# KiCad board camera_badge.kicad_pcb
title: Camera_Badge; date: 2024-04-12; rev: 2; company: Crafted by @alt_bier a.k.a. Richard Gowen and others from Blue Team Village
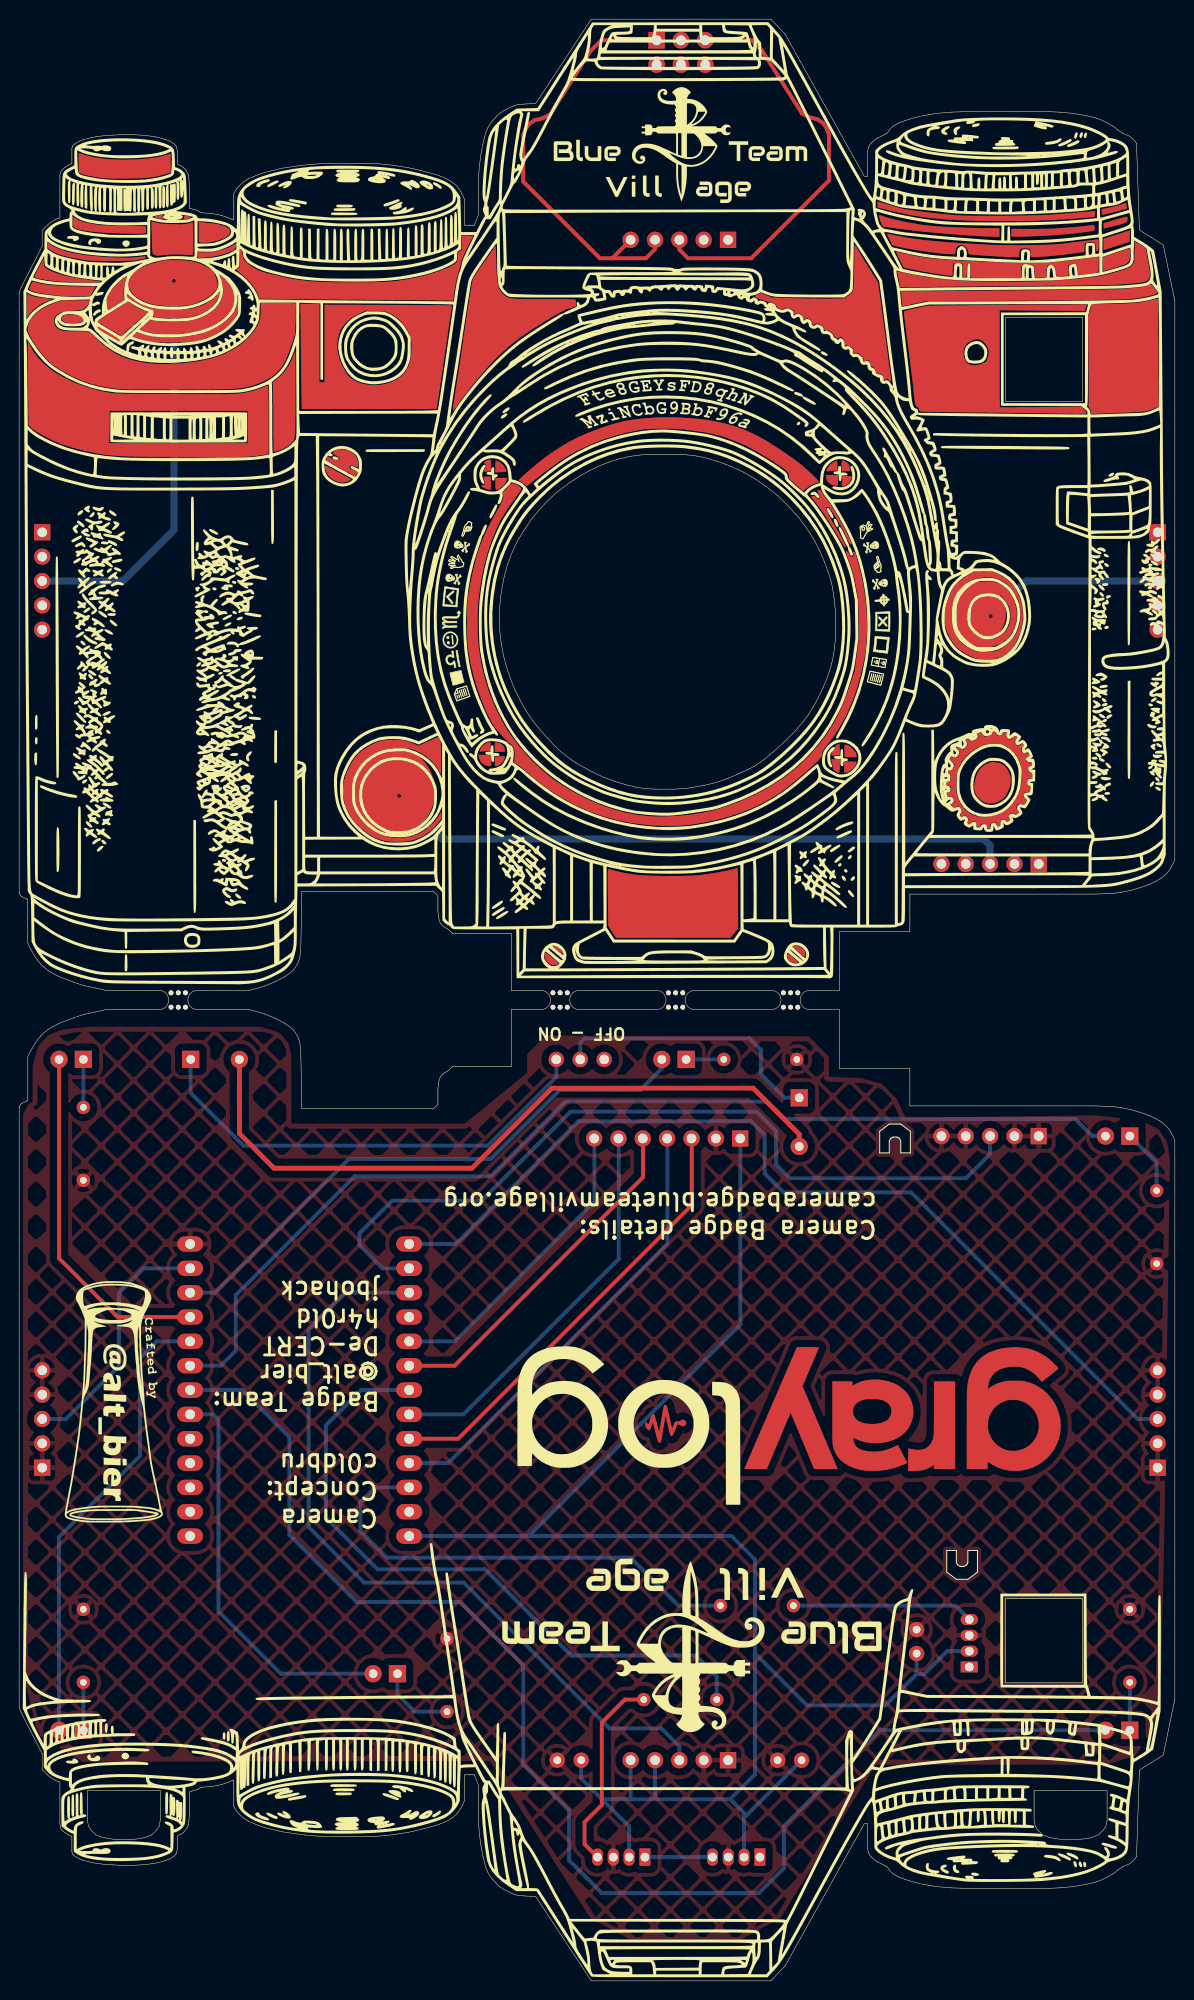
[diagram p0: board, top side]
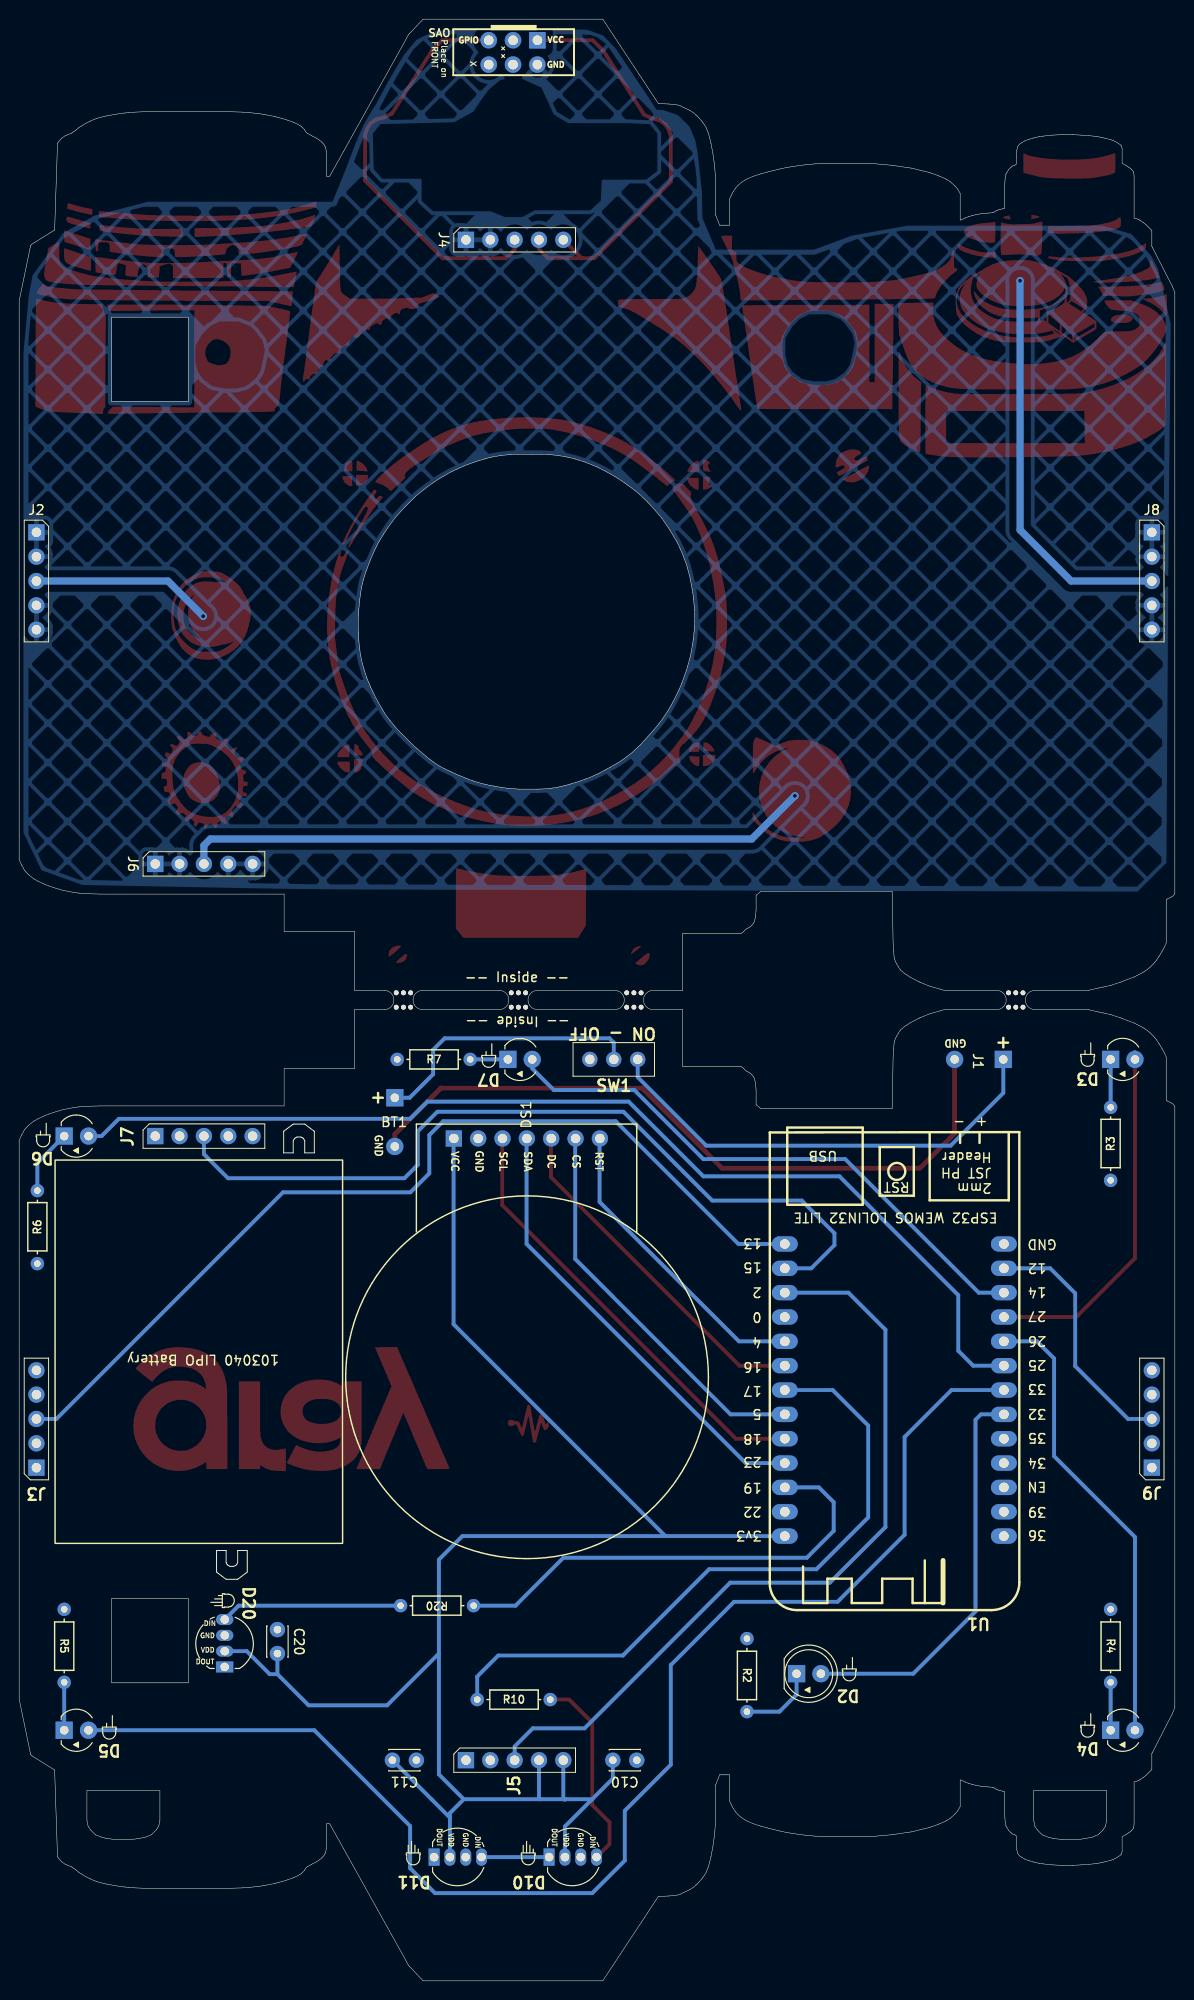
[diagram p1: board, bottom side, seen from below]

Outline 120.6 x 204.7 mm; copper layers: Top, Bottom. Coordinates in mm from the lower left corner of the outline.
Stack: Top 0.035mm / dielectric 1.51mm FR4 er 4.5 / Bottom 0.035mm

## Placement (name value [footprint] x y rotation side)
badge_bmask01  BMask01  [camera_badge_bmask01]  60.3 102.35 0 top
badge_copper01  Copper01  [camera_badge_copper01]  60.3 102.35 0 top
badge_edgecuts  Edge  [camera_badge_edgecuts]  57.6 102.85 0 top
badge_fmask01  FMask01  [camera_badge_fmask01]  60.3 102.35 0 top
badge_silk02  Silk02  [camera_badge_silk02]  60.3 102.35 0 top
badge_silk03  Silk03  [camera_badge_silk03]  60.3 102.35 0 top
badge_silk04  Silk04  [camera_badge_silk04]  60.3 102.35 0 top
Band_Fastener  -  [Band_Fastener_Hook]  98.4 44.15 180 top
Band_Fastener#2  -  [Band_Fastener_Hook]  91.4 87.15 0 top
BT1  Battery_Lipo  [Battery_Connector_back]  81.4 92.15 0 top
BTV_LOGO  btv_logo_45  [camera_badge_btvlogo_45]  70.01 35.32 180 top
C10  C_Disc_D3  [C_Disc_D3_back]  58.65 23.02 180 top
C11  C_Disc_D3  [C_Disc_D3_back]  81.65 23.02 180 top
C20  C_Disc_D3  [C_Disc_D3_back]  93.65 34.15 90 top
D2  LED_5mm  [LED_D5.0mm-2_back]  39.48 32.05 180 top
D3  LED_3mm  [LED_D3.0mm-2-std_back]  6.7 96.15 180 top
D4  LED_3mm  [LED_D3.0mm-2-std_back]  6.7 26.15 180 top
D5  LED_3mm  [LED_D3.0mm-2-std_back]  115.9 26.15 180 top
D6  LED_3mm  [LED_D3.0mm-2-std_back]  115.9 88.15 180 top
D7  LED_3mm  [LED_D3.0mm-2-std_back]  69.6 96.15 180 top
D10  LED_WS2812D_5mm  [LED_D5.0mm-4_WS2812D_2024_back]  64.8 12.91 180 top
D11  LED_WS2812D_5mm  [LED_D5.0mm-4_WS2812D_2024_back]  76.8 12.91 180 top
D20  LED_WS2812D_5mm  [LED_D5.0mm-4_WS2812D_2024_back]  99.15 33.25 90 top
DS1  GC9A01 TFT Display  [GC9A01_TFT_Back_Mount]  75.27 85.59 270 top
G***  LOGO  [logo-alt_bier-900dpi-10x25mm-front]  9.9 60.4 180 top
J1  Battery_Conn  [Battery_Connector_back]  17.9 96.15 90 top
J2  Conn_01x05_Socket  [Conn_Pin_Header_Female_Vert_Back_1x05_Pitch2.54mm]  118.8 151.15 0 top
J3  Conn_01x05_Pin  [Conn_Pin_Header_Male_Vert_Back_1x05_Pitch2.54mm]  118.8 53.55 180 top
J4  Conn_01x05_Socket  [Conn_Pin_Header_Female_Vert_Back_1x05_Pitch2.54mm]  73.97 181.67 270 top
J5  Conn_01x05_Pin  [Conn_Pin_Header_Male_Vert_Back_1x05_Pitch2.54mm]  73.97 23.02 270 top
J6  Conn_01x05_Socket  [Conn_Pin_Header_Female_Vert_Back_1x05_Pitch2.54mm]  106.4 116.55 270 top
J7  Conn_01x05_Pin  [Conn_Pin_Header_Male_Vert_Back_1x05_Pitch2.54mm]  106.4 88.15 270 top
J8  Conn_01x05_Socket  [Conn_Pin_Header_Female_Vert_Back_1x05_Pitch2.54mm]  2.4 151.15 0 top
J9  Conn_01x05_Pin  [Conn_Pin_Header_Male_Vert_Back_1x05_Pitch2.54mm]  2.4 53.55 180 top
JSAO1  Conn_02x03_SAO  [SAOv169-BADGEv2-2x3_gpio_back]  69 201.25 0 top
Lanyard  -  [Lanyard_Hole]  109.7 17.55 180 top
Lanyard#2  -  [Lanyard_Hole]  10.9 17.55 180 top
LIPO  -  [Battery_LIPO_103040_silk_back]  101.85 65.65 180 top
R2  47R_6.3mm  [R_Axial_DIN0207_L6.3_D2.5_P7.62_Horiz_back]  44.65 28.09 90 top
R3  47R_6.3mm  [R_Axial_DIN0207_L6.3_D2.5_P7.62_Horiz_back]  6.7 91.15 270 top
R4  47R_6.3mm  [R_Axial_DIN0207_L6.3_D2.5_P7.62_Horiz_back]  6.7 31.15 90 top
R5  47R_6.3mm  [R_Axial_DIN0207_L6.3_D2.5_P7.62_Horiz_back]  115.9 31.15 90 top
R6  47R_6.3mm  [R_Axial_DIN0207_L6.3_D2.5_P7.62_Horiz_back]  118.7 82.46 270 top
R7  47R_6.3mm  [R_Axial_DIN0207_L6.3_D2.5_P7.62_Horiz_back]  73.53 96.15 0 top
R10  47R_6.3mm  [R_Axial_DIN0207_L6.3_D2.5_P7.62_Horiz_back]  65.18 29.35 0 top
R20  47R_6.3mm  [R_Axial_DIN0207_L6.3_D2.5_P7.62_Horiz_back]  80.8 39.15 180 top
REF**  -  [LED_2Pin_Indicator_Right_back]  9.12 26.47 180 top
REF**#2  -  [LED_4Pin_Indicator_back]  67.5 13.15 180 top
REF**#3  -  [LED_4Pin_Indicator_back]  99.2 39.65 90 top
REF**#4  -  [LED_4Pin_Indicator_back]  79.5 13.15 180 top
REF**#5  -  [LED_2Pin_Indicator_Right_back]  118.12 88.07 180 top
REF**#6  -  [LED_2Pin_Indicator_Right_back]  34 32.35 180 top
REF**#7  -  [LED_2Pin_Indicator_Right_back]  9.12 96.47 180 top
REF**#8  -  [LED_2Pin_Indicator_Right_back]  71.62 96.37 180 top
REF**#9  -  [LED_2Pin_Indicator_Right_back]  111.22 26.27 180 top
Sponsor  GrayLog  [camera_badge_graylog-logo01]  79.9 58.65 0 top
SW1  SW_SPDT_SS12D00G  [SW_SPDT_Slide_SS12D00G-1P2T_3pin_back]  58.55 96.15 0 top
U1  ESP32-WEMOS-LOLIN32-LITE  [ESP32_WEMOS_LOLIN32_LITE_back]  29.43 62.93 180 top

## Library data of the parts
BT1 = -: Description: Multiple-cell battery
C10 C11 C20 = -: Description: Unpolarized capacitor
D2 = -: Description: Light emitting diode; Color: White
D3-D7 = -: Description: Light emitting diode; Color: Blue
D10 D11 D20 = -: Description: RGB LED with integrated controller, 5mm LED package
J1 = -: Description: Baterry Connector 01x02
J2-J9 = -: Description: Generic connector, single row, 01x05, script generated (kicad-library-utils/schlib/autogen/connector/)
JSAO1 = -: Description: Generic connector, double row, 02x03, odd/even pin numbering scheme (row 1 odd numbers, row 2 even numbers), script generated (kicad-library-utils/schlib/autogen/connector/)
R2-R7 R10 R20 = -: Description: Resistor
SW1 = -: Description: Switch, single pole double throw
U1 = -: Description: RF Module, ESP32-D0WDQ6 SoC, Wi-Fi 802.11b/g/n, Bluetooth, BLE, 32-bit, 2.7-3.6V, onboard antenna, Wemos, Lolin, Lolin32

## Footprints (pads in the part's own frame, mm; a bottom-side part is the same pattern mirrored in y, then rotated)
Battery_Connector_back
  rect 1.8x1.8 hole 0.9: 1(0,0)
  round 1.8 hole 0.9: 2(0,-5.08)
C_Disc_D3_back
  round 1.6 hole 0.8: 1(0,0) 2(2.5,0)
camera_badge_edgecuts
  round 0.5 hole 0.5 unplated: (-41.75,0.25) (-41.75,-1.25) (-41,0.25) (-41,-1.25) (-40.25,0.25) (-40.25,-1.25) (-1.9,0.25) (-1.9,-1.25) (-1.15,0.25) (-1.15,-1.25) (-0.4,0.25) (-0.4,-1.25) (10.15,0.25) (10.15,-1.25) (10.9,0.25) (10.9,-1.25) (11.65,0.25) (11.65,-1.25) (22.15,0.25) (22.15,-1.25) (22.9,0.25) (22.9,-1.25) (23.65,0.25) (23.65,-1.25)
Conn_Pin_Header_Female_Vert_Back_1x05_Pitch2.54mm
  rect 1.7x1.7 hole 1: 1(0,0)
  oval 1.7x1.7 hole 1: 2(0,-2.54) 3(0,-5.08) 4(0,-7.62) 5(0,-10.16)
Conn_Pin_Header_Male_Vert_Back_1x05_Pitch2.54mm
  rect 1.7x1.7 hole 1: 1(0,0)
  oval 1.7x1.7 hole 1: 2(0,-2.54) 3(0,-5.08) 4(0,-7.62) 5(0,-10.16)
ESP32_WEMOS_LOLIN32_LITE_back
  oval 2.7x1.6 hole 1.02: 0(-11.274,-6.336) 2(-11.274,-8.876) 3V3(-11.274,16.524) 4(-11.274,-3.796) 5(-11.274,3.824) 12(11.586,-11.416) 13(-11.274,-13.956) 14(11.586,-8.876) 15(-11.274,-11.416) 16(-11.274,-1.256) 17(-11.274,1.284) 18(-11.274,6.364) 19(-11.274,11.444) 22(-11.274,13.984) 23(-11.274,8.904) 25(11.586,-1.256) 26(11.586,-3.796) 27(11.586,-6.336) 32(11.586,3.824) 33(11.586,1.284) 34(11.586,8.904) 35(11.586,6.364) 36(11.586,16.524) 39(11.586,13.984) EN(11.586,11.444) GND(11.586,-13.956)
GC9A01_TFT_Back_Mount
  rect 1.7x1.7 hole 1: 1(-2.31,-0.03)
  oval 1.7x1.7 hole 1: 2(-2.31,-2.57) 3(-2.31,-5.11) 4(-2.31,-7.65) 5(-2.31,-10.19) 6(-2.31,-12.73) 7(-2.31,-15.27)
LED_D3.0mm-2-std_back
  rect 1.8x1.8 hole 0.9: 1(0,0)
  round 1.8 hole 0.9: 2(2.54,0)
LED_D5.0mm-2_back
  rect 1.8x1.8 hole 0.9: 1(0,0)
  round 1.8 hole 0.9: 2(2.54,0)
LED_D5.0mm-4_WS2812D_2024_back
  rect 1.15x1.8 hole 0.9: 1(-0.5,0)
  oval 1.15x1.8 hole 0.9: 2(1.15,0) 3(2.8,0) 4(4.45,0)
R_Axial_DIN0207_L6.3_D2.5_P7.62_Horiz_back
  round 1.4 hole 0.7: 1(0,0) 2(7.62,0)
SAOv169-BADGEv2-2x3_gpio_back
  rect 1.727x1.727 hole 1.016: 1(-2.48,1.25)
  round 1.727 hole 1.016: 2(-2.48,-1.29) 5(2.6,1.25) 6(2.6,-1.29)
  oval 1.727x1.727 hole 1.016: 3(0.06,1.25) 4(0.06,-1.29)
SW_SPDT_Slide_SS12D00G-1P2T_3pin_back
  round 1.6 hole 1: 1(-2.5,0) 2(0,0) 3(2.5,0)

## Nets
+3.3V: C10.1 C11.1 C20.1 D10.2 D11.2 D20.2 DS1.1 J5.4 J5.5 U1.3V3
/GNDFILL: J2.1 J2.2 J2.4 J2.5 J4.1 J4.2 J6.1 J6.2 J6.4 J6.5 J8.1 J8.2 J8.4 J8.5 JSAO1.2
GND: C10.2 C11.2 C20.2 D10.3 D11.3 D20.3 DS1.2 J3.1 J3.2 J3.4 J3.5 J5.1 J5.2 J7.1 J7.2 J7.4 J7.5 J9.1 J9.2 J9.4 J9.5 R2.2 R3.2 R4.2 R5.2 R6.2 R7.2 U1.GND
VBAT: J1.1 SW1.1
2: J5.3 U1.2
4: DS1.7 U1.4
5: DS1.6 U1.5
12: J9.3 U1.12
13: J3.3 U1.13
14: D7.2 U1.14
15: J7.3 U1.15
16: DS1.5 U1.16
17: R10.2 U1.17
18: DS1.3 U1.18
19: R20.2 U1.19
23: DS1.4 U1.23
25: D6.2 U1.25
26: D4.2 U1.26
27: D3.2 U1.27
32: D2.2 U1.32
33: D5.2 U1.33
/SAO+3.3V: J4.4 J4.5 JSAO1.1
D1.1: D10.1 D11.4
F2: J4.3 JSAO1.5
F12: J8.3
F13: J2.3
F15: J6.3
GBAT: BT1.2 J1.2
Net-(BT1-Pin_1): BT1.1 SW1.2
Net-(D2-K): D2.1 R2.1
Net-(D3-K): D3.1 R3.1
Net-(D4-K): D4.1 R4.1
Net-(D5-K): D5.1 R5.1
Net-(D6-K): D6.1 R6.1
Net-(D7-K): D7.1 R7.1
Net-(D10-DIN): D10.4 R10.1
Net-(D20-DIN): D20.4 R20.1

Pads without a net: D11 1; D20 1; JSAO1 3 4 6; SW1 3; U1 0 22 34 35 36 39 EN

## Via types
v1: diameter 0.8, hole 0.4, Top to Bottom, 3 vias

## Routing (per net, layer and track width the routed paths; a pad name or vN(x,y) marks a point on that pad's centre or on a via; arc(x,y) is an arc through that point)
+3.3V: length 191.9
  Bottom w0.4: 76.8,34.15 76.8,43.95 74.34,46.41 53.16,46.41 ; 76.8,34.15 76.8,21.55 74.2,18.95 ; 76.8,34.15 82.2,28.75 90.4,28.75 93.65,32 ; 53.16,46.41 75.27,68.52 75.27,87.87 DS1.1 ; 53.16,46.41 U1.3V3 ; 63.65,18.9 63.6,18.95 ; 63.6,18.95 60.8,18.95 ; 63.6,18.95 63.8,18.95 ; 63.8,18.95 66.2,18.95 ; 63.8,18.95 63.82,18.96 J5.5 ; 66.2,18.95 74.2,18.95 ; 66.2,18.95 66.35,19.1 J5.4 ; C11.1 75.65,17.02 ; D11.2 75.65,17.02 ; 75.65,17.02 75.65,17.5 74.2,18.95 ; 60.8,18.95 63.65,16.1 D10.2 ; 60.8,18.95 58.65,21.1 C10.1 ; C20.1 93.65,32 ; 93.65,32 94.45,32 96.85,34.4 D20.2
VBAT: length 48.7
  Bottom w0.4: J1.1 17.9,92.65 23.4,87.15 48.9,87.15 56.05,94.3 SW1.1
2: length 82.3
  Bottom w0.4: J5.3 68.9,24.45 67,26.35 61.6,26.35 46.4,41.55 36,41.55 30.2,47.35 30.2,67.95 34.06,71.81 U1.2
4: length 32
  Bottom w0.4: U1.4 45.48,66.73 60.03,81.28 60.03,87.87 DS1.7
5: length 41.2
  Bottom w0.4: DS1.6 62.57,87.87 62.57,75.32 46.36,59.11 U1.5
12: length 26.4
  Bottom w0.4: U1.12 13,74.35 10.4,71.75 10.4,64.15 4.88,58.63 J9.3
13: length 98.6
  Bottom w0.4: U1.13 45.54,76.89 58.35,89.7 76.35,89.7 77.8,88.25 77.8,84.25 79.77,82.28 93.07,82.28 116.72,58.63 J3.3
14: length 59.9
  Bottom w0.4: D7.2 67.06,95.21 64.8,92.95 56.4,92.95 49.2,85.75 34.4,85.75 20.46,71.81 U1.14
15: length 86.3
  Bottom w0.4: J7.3 101.32,86.27 98.8,83.75 80.4,83.75 79,85.15 79,88.65 76.96,90.69 57.54,90.69 48.27,81.42 38.93,81.42 35.52,78.01 35.52,76.77 37.94,74.35 U1.15
16: length 36.6
  Top w0.4: U1.16 45.44,64.19 65.11,83.86 65.11,87.87 DS1.5
17: length 69.9
  Bottom w0.4: R10.2 72.8,31.75 70.6,33.95 57.6,33.95 48.6,42.95 37.4,42.95 32,48.35 32,57.95 35.7,61.65 U1.17
18: length 46.6
  Top w0.4: DS1.3 70.19,87.87 70.19,80.94 45.82,56.57 U1.18
19: length 49.5
  Bottom w0.4: U1.19 37.14,51.49 35.6,49.95 35.6,46.95 38.4,44.15 63.8,44.15 68.8,39.15 R20.2
23: length 47.4
  Bottom w0.4: DS1.4 67.65,87.87 67.65,76.9 44.78,54.03 U1.23
25: length 111.8
  Bottom w0.4: D6.2 112,88.15 110.2,89.95 79.8,89.95 78,91.75 57,91.75 49.2,83.95 35,83.95 22.6,71.55 22.6,65.75 21.04,64.19 U1.25
26: length 48.3
  Bottom w0.4: D4.2 4.16,46.31 12.6,54.75 12.6,64.95 14.38,66.73 U1.26
27: length 37.7
  Top w0.4: U1.27 10.28,69.27 4.16,75.39 D3.2
  Bottom w0.4: D3.2 4.16,96.91
32: length 42
  Bottom w0.4: D2.2 27.3,32.05 20.8,38.55 20.8,58.55 20.24,59.11 U1.32
33: length 142
  Bottom w0.4: U1.33 23.3,61.65 28.2,56.75 28.2,46.55 35.2,39.55 46,39.55 52.6,32.95 52.6,22.55 57.4,17.75 57.4,12.55 60.8,9.15 77.2,9.15 79.8,11.75 79.8,16.15 89.8,26.15 D5.2
/SAO+3.3V: length 45.1
  Top w0.4: JSAO1.1 60.75,202.5 59.6,201.35 55.4,194.75 54.6,194.35 53.8,194.15 53.2,193.75 52.8,193.15 52.6,192.55 52.6,187.75 60.6,179.75 61.8,179.75 ; J4.4 66.35,180.7 65.4,179.75 61.8,179.75 ; 61.8,179.75 61.89,179.75 J4.5
D1.1: length 7
  Bottom w0.4: D10.1 D11.4
F2: length 43.1
  Top w0.4: JSAO1.5 76.45,202.5 77.5,201.45 81.7,194.85 82.5,194.45 83.3,194.25 83.9,193.85 84.3,193.25 84.5,192.65 84.5,187.85 76.4,179.75 69.8,179.75 68.9,180.65 J4.3
F12: length 42
  Bottom w0.75: J8.3 10.82,146.07 16.15,151.4 v1(16.15,177.4)
F13: length 18.9
  Bottom w0.75: v1(101.4,142.4) 105.07,146.07 J2.3
F15: length 65.7
  Bottom w0.75: J6.3 101.32,118.48 100.65,119.15 44.15,119.15 v1(39.65,123.65)
GBAT: length 74.4
  Top w0.5: J1.2 22.98,88.42 26.6,84.8 47.25,84.8 55.6,93.15 76.6,93.15 81.4,88.35 BT1.2
Net-(BT1-Pin_1): length 28.8
  Bottom w0.4: BT1.1 79.85,92.15 77.4,94.6 77.4,97.15 76.2,98.35 59,98.35 58.55,97.9 SW1.2
Net-(D2-K): length 8.1
  Bottom w0.4: D2.1 39.48,29.87 41.26,28.09 R2.1
Net-(D3-K): length 5
  Bottom w0.4: R3.1 D3.1
Net-(D4-K): length 5
  Bottom w0.4: R4.1 D4.1
Net-(D5-K): length 5
  Bottom w0.4: D5.1 R5.1
Net-(D6-K): length 6.8
  Bottom w0.4: R6.1 118.7,85.35 D6.1
Net-(D7-K): length 3.9
  Bottom w0.4: D7.1 R7.1
Net-(D10-DIN): length 20.7
  Top w0.4: R10.1 63.2,29.35 60.8,26.95 60.8,18.35 59,16.55 59,14.26 D10.4
Net-(D20-DIN): length 19
  Bottom w0.4: R20.1 97.7,39.15 D20.4

## Copper pours and planes (outline as drawn; the poured copper is in the pictures)
/GNDFILL on Bottom: 0.65,151.4 0.4,175.9 3.15,181.4 5.9,183.15 30.9,183.15 37.65,180.65 47.9,180.65 49.3,183.95 49.4,188.75 50.2,192.85 51.1,194.15 52.6,195.15 54.1,195.25 54.8,196.35 58.9,202.45 60.4,203.55 62.4,203.65 75.65,203.65 78.4,203.25 79.9,201.85 81.5,199.25 82.5,197.45 83.4,195.75 84.2,194.55 85,192.95 85.4,191.95 86.6,188.85 87.2,187.35 87.9,185.65 110.15,185.65 118.65,180.9 120.15,172.9 120.15,117.4 116.4,114.4 90.15,113.9 0.9,113.65
GND on Top: 2.4,98.25 1.4,96.45 1.4,91.75 0.4,91.05 0.4,29.15 3.6,22.85 49.1,22.95 61.2,4.05 77.9,4.05 89.4,22.55 115.1,22.55 117.9,24.45 119.1,29.85 119.5,46.05 120.1,86.65 119.5,88.35 118.3,89.35 114.4,90.35 92.5,90.05 91.1,93.05 89,94.15 84.5,94.35 84.5,98.55 53,98.65 53,94.75 46.5,89.45 28.4,89.45 28.4,97.25 27.8,98.45 26.2,99.55 6,99.55 3.6,99.05

## Text on the board
B.Silkscreen: -- Inside -- | ON - OFF
F.Silkscreen: OFF - ON | Camera / Concept: / c0ldbru | Badge Team: / @alt_bier / De-CERT / h4r0ld / jbohack | Camera Badge details: / camerabadge.blueteamvillage.org
